# KiCad board doom v1.kicad_pcb (continued)
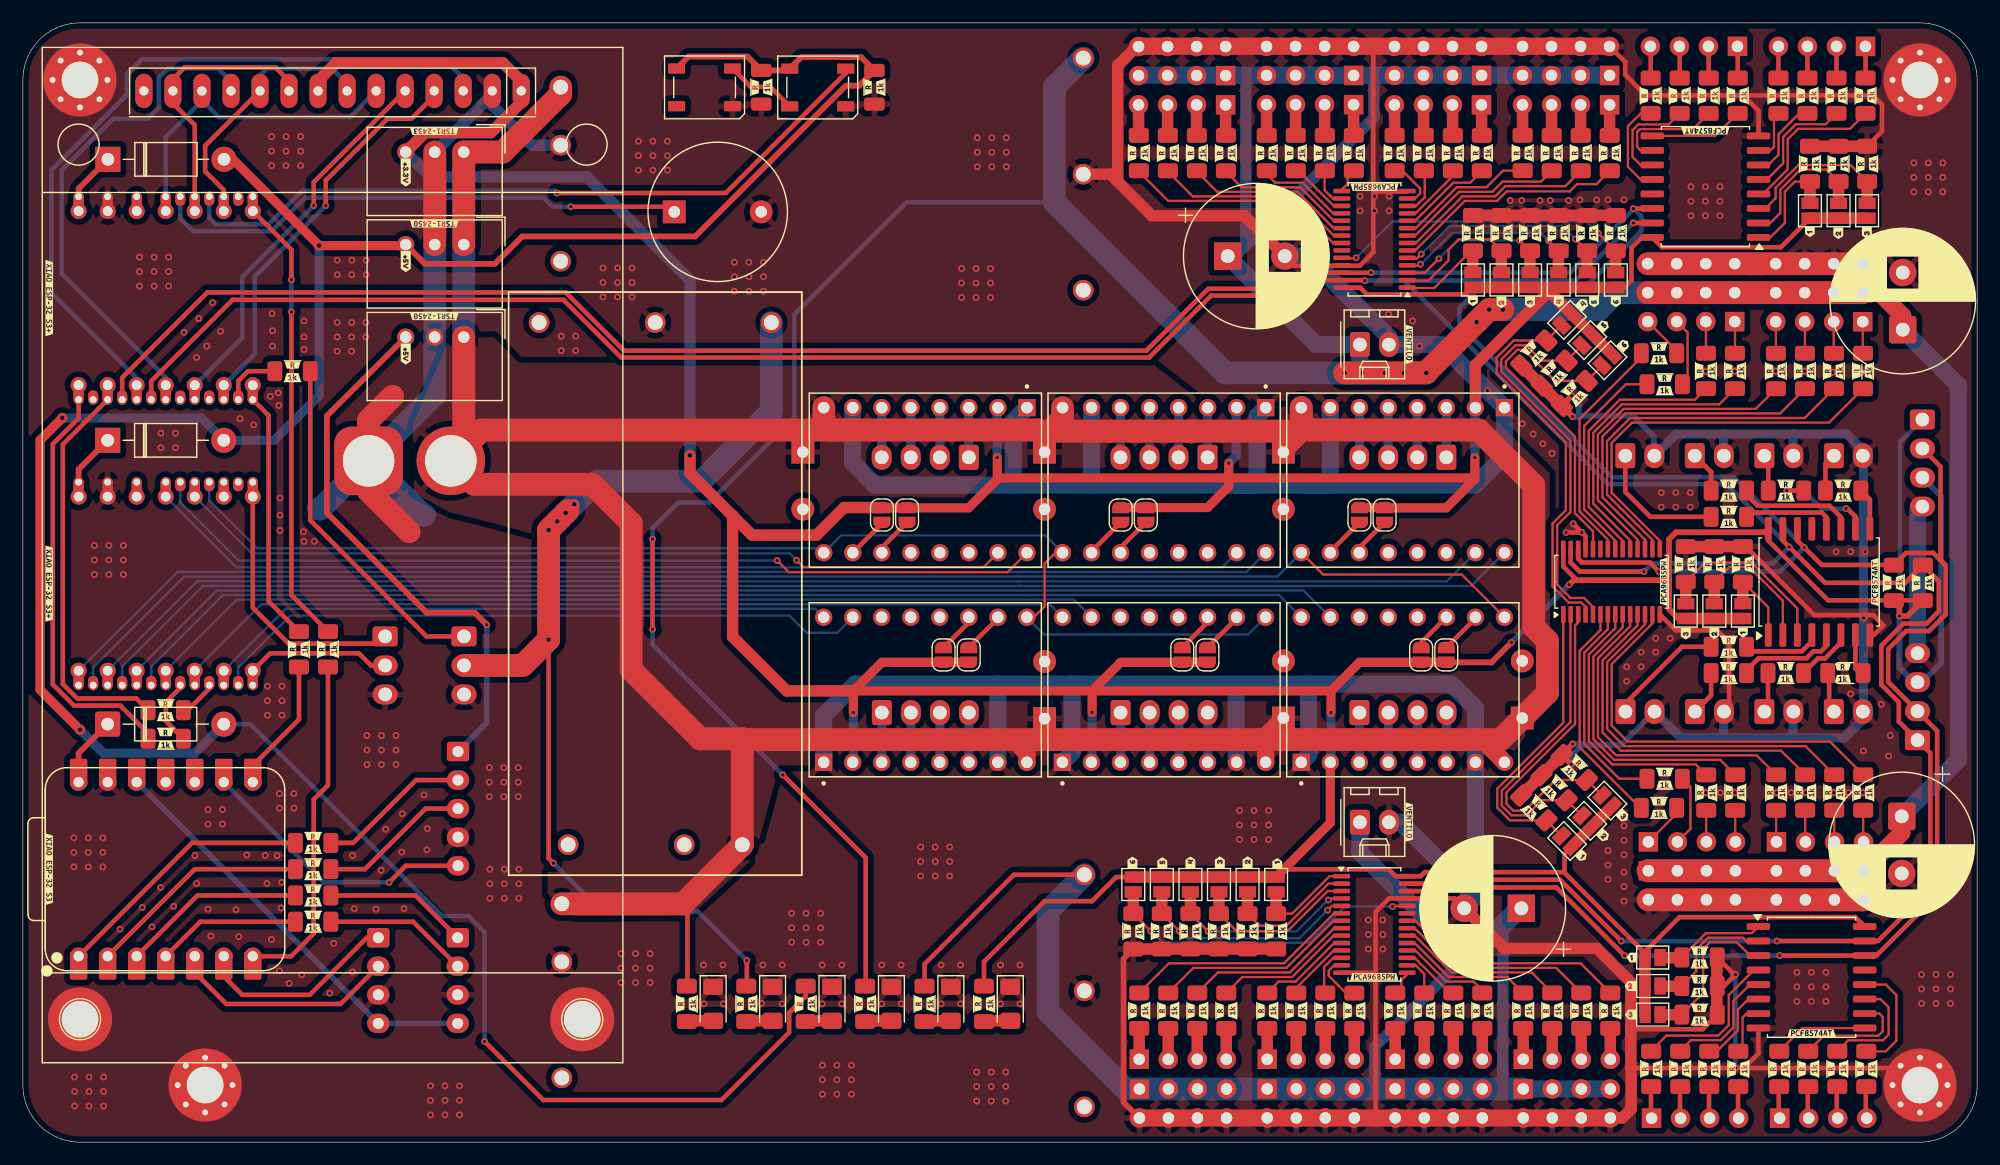
[diagram p0: board, top side]
## Placement (name value [footprint] x y rotation side) (continued)
U2  TMC2209_SILENTSTEPSTICK  [MODULE_TMC2209_SILENTSTEPSTICK]  99.86 57.96 270 top
U3  TMC2209_SILENTSTEPSTICK  [MODULE_TMC2209_SILENTSTEPSTICK]  78.97 57.96 270 top
U4  TMC2209_SILENTSTEPSTICK  [MODULE_TMC2209_SILENTSTEPSTICK]  78.96 39.61 90 top
U5  TMC2209_SILENTSTEPSTICK  [MODULE_TMC2209_SILENTSTEPSTICK]  99.85 39.61 90 top
U6  TMC2209_SILENTSTEPSTICK  [MODULE_TMC2209_SILENTSTEPSTICK]  120.75 39.61 90 top
U7  PCA9685PW  [TSSOP-28_4.4x9.7mm_P0.65mm]  118.26 19.06 0 top
U8  PCA9685PW  [TSSOP-28_4.4x9.7mm_P0.65mm]  118.27 79.05 180 top
U9  PCA9685PW  [TSSOP-28_4.4x9.7mm_P0.65mm]  139.01 49.07 90 top
U10  XIAO-HALF-HOLE-23P  [MOUDLE23P-SMD-2.54-21X17.8MM.kicad_mod.kicad_sym]  12.5 48.9 180 top
U11  PCF8574AT  [SOIC-16W_7.5x10.3mm_P1.27mm]  156.51 14.44 0 top
U12  PCF8574AT  [SOIC-16W_7.5x10.3mm_P1.27mm]  147.22 83.66 180 top
U13  PCF8574AT  [SOIC-16W_7.5x10.3mm_P1.27mm]  157.17 49.05 90 top
U14  TFT_320x240  [TFT-320x240]  27.1 92.04 180 top
U15  XIAO-HALF-HOLE-23P  [MOUDLE23P-SMD-2.54-21X17.8MM.kicad_mod.kicad_sym]  12.5 73.9 180 top
U16  TSR1-2433E  [Converter_DCDC_TRACO_TSR1-xxxxE_THT]  38.58 86.69 270 top
U17  TSR1-2450E  [Converter_DCDC_TRACO_TSR1-xxxxE_THT]  38.58 70.49 270 top
U18  TSR1-2450E  [Converter_DCDC_TRACO_TSR1-xxxxE_THT]  38.58 78.59 270 top
U19  XIAO-ESP32-S3-DIP  [XIAO-ESP32S3-DIP]  12.5 23.9 90 top

## Library data of the parts
Batcon2 J7-J22 = -: ki_fp_filters: Connector*:*_1x??_*
BZ1 = -: Description: Buzzer, polarized; ki_fp_filters: *Buzzer*
C1-C6 = -: Description: Polarized capacitor, small symbol; ki_fp_filters: CP_*
C8-C10 C15 = -: ki_fp_filters: CP_*
C11 C13 = -: Description: Unpolarized capacitor; ki_fp_filters: C_*
D1 D3 D13 = -: Datasheet: http://www.diodes.com/_files/datasheets/ds23022.pdf; Description: 20V 1A Schottky Barrier Rectifier Diode, DO-41; ki_fp_filters: D*DO?41*
D5-D10 = -: ki_fp_filters: LED* LED_SMD:* LED_THT:*
D11 D12 = -: Datasheet: https://cdn-shop.adafruit.com/datasheets/WS2812B.pdf; Description: RGB LED with integrated controller; ki_fp_filters: LED*WS2812*PLCC*5.0x5.0mm*P3.2mm*
H1-H6 = -: Description: Mounting Hole with connection; ki_fp_filters: MountingHole*Pad*
J1-J6 J43 J44 J47 J51 = -: Description: Generic connector, single row, 01x04, script generated (kicad-library-utils/schlib/autogen/connector/); ki_fp_filters: Connector*:*_1x??_*
J23-J30 J48 J49 = -: Description: Generic connector, single row, 01x02, script generated (kicad-library-utils/schlib/autogen/connector/); ki_fp_filters: Connector*:*_1x??_*
J31-J42 = -: ki_fp_filters: Connector*:*_2x??_*
J45 J46 = -: Description: Generic connector, single row, 01x03, script generated (kicad-library-utils/schlib/autogen/connector/); ki_fp_filters: Connector*:*_1x??_*
J50 = -: Description: Generic connector, single row, 01x05, script generated (kicad-library-utils/schlib/autogen/connector/); ki_fp_filters: Connector*:*_1x??_*
JP1-JP12 = -: Description: Jumper, 2-pole, open; ki_fp_filters: Jumper* TestPoint*2Pads* TestPoint*Bridge*
JP13-JP39 = -: ki_fp_filters: Jumper* TestPoint*2Pads* TestPoint*Bridge*
PS2-PS4 = -: MF: Traco Power; MAXIMUM_PACKAGE_HEIGHT: 11.25mm; Package: Package; Price: None; Check_prices: https://www.snapeda.com/parts/TEN%2050-2411/Traco+Power/view-part/?ref=eda; STANDARD: Manufacturer Recommendations; PARTREV: February 3, 2021; SnapEDA_Link: https://www.snapeda.com/parts/TEN%2050-2411/Traco+Power/view-part/?ref=snap; MP: TEN 50-2411; Description_1: 50 Watt DC/DC converter, industrial, 2:1 input, encapsulated, 2 x 1 metal package; Availability: In Stock; MANUFACTURER: Traco Power
R1-R99 R110-R115 = -: ki_fp_filters: R_*
R100-R103 R106 R107 R117-R119 = -: Description: Resistor; ki_fp_filters: R_*
R108 R109 = -: Description: Resistor, small symbol; ki_fp_filters: R_*
U1-U6 = -: MF: Trinamic Motion Control GmbH; Description_1: TMC2209 Motor Controller/Driver Power Management Evaluation Board; Package: None; Price: None; Check_prices: https://www.snapeda.com/parts/TMC2209%20SILENTSTEPSTICK/Trinamic/view-part/?ref=eda; STANDARD: Manufacturer Recommendations; PARTREV: 1.20; SnapEDA_Link: https://www.snapeda.com/parts/TMC2209%20SILENTSTEPSTICK/Trinamic/view-part/?ref=snap; MP: TMC2209 SILENTSTEPSTICK; MANUFACTURER: Trinamic Motion Control GmbH; Availability: In Stock; SNAPEDA_PN: TMC2209 SILENTSTEPSTICK
U7-U9 = -: Datasheet: http://www.nxp.com/docs/en/data-sheet/PCA9685.pdf; Description: 16-channel 12-bit PWM Fm+ I2C-bus LED controller RGBA TSSOP; ki_fp_filters: TSSOP*4.4x9.7mm*P0.65mm*
U10 U15 = -: ki_fp_filters: Module:MOUDLE23P-XIAO-HALF-HOLE
U11-U13 = -: Datasheet: http://www.nxp.com/docs/en/data-sheet/PCF8574_PCF8574A.pdf; Description: 8 Bit Port/Expander to I2C Bus, fixed address bits 0b0111, SOIC-16; ki_fp_filters: SOIC*7.5x10.3mm*P1.27mm*
U16 = -: Datasheet: https://www.tracopower.com/products/tsr1e.pdf; Description: 1A step-down regulator, fixed 3.3V output voltage, 6-36V input voltage, TO-220 compatible LM78xx replacement; ki_fp_filters: Converter*DCDC*TRACO*TSR1*xxxxE*THT*
U17 U18 = -: Datasheet: https://www.tracopower.com/products/tsr1e.pdf; Description: 1A step-down regulator, fixed 5V output voltage, 7-36V input voltage, TO-220 compatible LM78xx replacement; ki_fp_filters: Converter*DCDC*TRACO*TSR1*xxxxE*THT*

## Footprints (pads in the part's own frame, mm; a bottom-side part is the same pattern mirrored in y, then rotated)
AMASS_XT60-F_1x02_P7.20mm_Vertical
  rrect 6x6 hole 4.5: 1(0,0)
  round 6 hole 4.5: 2(7.2,0)
Buzzer_12x9.5RM7.6
  rect 2x2 hole 1: 1(0,0)
  round 2 hole 1: 2(7.6,0)
C_1206_3216Metric
  rrect 1.15x1.8 smd: 1(-1.475,0) 2(1.475,0)
Converter_DCDC_TRACO_TSR1-xxxxE_THT
  rect 1.5x1.5 hole 1: 1(0,0)
  round 1.5 hole 1: 2(0,-2.54) 3(0,-5.08)
CP_Radial_D10.0mm_P5.00mm
  rect 2x2 hole 1: 1(0,0)
  round 2 hole 1: 2(5,0)
CP_Radial_D12.5mm_P5.00mm
  rrect 2.4x2.4 hole 1.2: 1(0,0)
  round 2.4 hole 1.2: 2(5,0)
CP_Radial_D12.5mm_P5.00mm#2
  rect 2.4x2.4 hole 1.2: 1(0,0)
  round 2.4 hole 1.2: 2(5,0)
D_DO-41_SOD81_P10.16mm_Horizontal
  rect 2.2x2.2 hole 1.1: 1(0,0)
  oval 2.2x2.2 hole 1.1: 2(10.16,0)
D_DO-41_SOD81_P10.16mm_Horizontal#2
  rrect 2.2x2.2 hole 1.1: 1(0,0)
  round 2.2 hole 1.1: 2(10.16,0)
JST_XH_B4B-XH-A_1x04_P2.50mm_Vertical
  rrect 1.7x1.95 hole 0.95: 1(0,0)
  oval 1.7x1.95 hole 0.95: 2(2.5,0) 3(5,0) 4(7.5,0)
JST_XH_B5B-XH-A_1x05_P2.50mm_Vertical
  rrect 1.7x1.95 hole 0.95: 1(0,0)
  oval 1.7x1.95 hole 0.95: 2(2.5,0) 3(5,0) 4(7.5,0) 5(10,0)
LED_1206_3216Metric_Pad1.42x1.75mm_HandSolder
  rrect 1.425x1.75 smd: 1(-1.488,0) 2(1.488,0)
LED_WS2812B_PLCC4_5.0x5.0mm_P3.2mm
  rrect 1.5x0.9 smd: 1(-2.45,1.65) 2(-2.45,-1.65) 3(2.45,-1.65) 4(2.45,1.65)
MODULE_TMC2209_SILENTSTEPSTICK
  rect 1.508x1.508 hole 1: 1(-6.35,8.89)
  round 1.508 hole 1: 2(-6.35,6.35) 3(-6.35,3.81) 4(-6.35,1.27) 5(-6.35,-1.27) 6(-6.35,-3.81) 7(-6.35,-6.35) 8(-6.35,-8.89) 9(6.35,8.89) 10(6.35,6.35) 11(6.35,3.81) 12(6.35,1.27) 13(6.35,-1.27) 14(6.35,-3.81) 15(6.35,-6.35) 16(6.35,-8.89)
Molex_KK-254_AE-6410-02A_1x02_P2.54mm_Vertical
  rrect 1.74x2.19 hole 1.19: 1(0,0)
  oval 1.74x2.19 hole 1.19: 2(2.54,0)
Molex_KK-254_AE-6410-03A_1x03_P2.54mm_Vertical
  rrect 1.74x2.19 hole 1.19: 1(0,0)
  oval 1.74x2.19 hole 1.19: 2(2.54,0) 3(5.08,0)
Molex_KK-254_AE-6410-04A_1x04_P2.54mm_Vertical
  rrect 1.74x2.19 hole 1.19: 1(0,0)
  oval 1.74x2.19 hole 1.19: 2(2.54,0) 3(5.08,0) 4(7.62,0)
MOUDLE23P-SMD-2.54-21X17.8MM.kicad_mod.kicad_sym
  round 0.9 hole 0.6: 1(7.62,8.89) 2(5.08,8.89) 3(2.54,8.89) 4(0,8.89) 5(-2.54,8.89) 6(-5.08,8.89) 7(-7.62,8.89) 8(-7.62,-8.89) 9(-5.08,-8.89) 10(-2.54,-8.89) 11(0,-8.89) 12(2.54,-8.89) 13(5.08,-8.89) 14(7.62,-8.89) 15(6.35,8.89) 16(3.81,8.89) 17(1.27,8.89) 18(-1.27,8.89) 19(-3.81,8.89) 20(-6.35,8.89) 21(-6.35,-8.89) 22(-3.81,-8.89) 23(-1.27,-8.89)
  round 1.4 hole 0.85: 1(7.62,7.62) 2(5.08,7.62) 3(2.54,7.62) 4(0,7.62) 5(-2.54,7.62) 6(-5.08,7.62) 7(-7.62,7.62) 8(-7.62,-7.62) 9(-5.08,-7.62) 10(-2.54,-7.62) 11(0,-7.62) 12(2.54,-7.62) 13(5.08,-7.62) 14(7.62,-7.62)
MountingHole_3.2mm_M3_DIN965_Pad
  round 5.6 hole 3.2: 1(0,0)
MountingHole_3.2mm_M3_Pad_Via
  round 0.8 hole 0.5: 1(-2.4,0) 1(-1.697,1.697) 1(-1.697,-1.697) 1(0,2.4) 1(0,-2.4) 1(1.697,1.697) 1(1.697,-1.697) 1(2.4,0)
  round 6.4 hole 3.2: 1(0,0)
PinHeader_1x04_P2.54mm_Vertical
  rect 1.7x1.7 hole 1: 1(0,0)
  oval 1.7x1.7 hole 1: 2(0,-2.54) 3(0,-5.08) 4(0,-7.62)
PinHeader_2x04_P2.54mm_Vertical
  rect 1.7x1.7 hole 1: 1(0,0)
  oval 1.7x1.7 hole 1: 2(2.54,0) 3(0,-2.54) 4(2.54,-2.54) 5(0,-5.08) 6(2.54,-5.08) 7(0,-7.62) 8(2.54,-7.62)
R_1206_3216Metric_Pad1.30x1.75mm_HandSolder
  rrect 1.3x1.75 smd: 1(-1.55,0) 2(1.55,0)
SOIC-16W_7.5x10.3mm_P1.27mm
  rrect 2.05x0.6 smd: 1(-4.65,4.445) 2(-4.65,3.175) 3(-4.65,1.905) 4(-4.65,0.635) 5(-4.65,-0.635) 6(-4.65,-1.905) 7(-4.65,-3.175) 8(-4.65,-4.445) 9(4.65,-4.445) 10(4.65,-3.175) 11(4.65,-1.905) 12(4.65,-0.635) 13(4.65,0.635) 14(4.65,1.905) 15(4.65,3.175) 16(4.65,4.445)
SolderJumper-2_P1.3mm_Open_Pad1.0x1.5mm
  rect 1x1.5 smd: 1(-0.65,0) 2(0.65,0)
SolderJumper-2_P1.3mm_Open_Pad1.0x1.5mm#2
  rect 1x1.5 smd: 1(-0.65,0) 2(0.65,0)
SolderJumper-2_P1.3mm_Open_RoundedPad1.0x1.5mm
  custom 1x1.5 smd: 1(-0.65,0) 2(0.65,0)
TEN50_TRP
  round 1.803 hole 1.295: 1(0,0) 2(0,5.08) 3(0,15.24) 4(45.72,-2.54) 5(45.72,7.62) 6(45.72,17.78)
TFT-320x240
  oval 1.5x3 hole 0.8: 1(-16.51,0) 2(-13.97,0) 3(-11.43,0) 4(-8.89,0) 5(-6.35,0) 6(-3.81,0) 7(-1.27,0) 8(1.27,0) 9(3.81,0) 10(6.35,0) 11(8.89,0) 12(11.43,0) 13(13.97,0) 14(16.51,0)
TSSOP-28_4.4x9.7mm_P0.65mm
  rrect 1.475x0.4 smd: 1(-2.862,4.225) 2(-2.862,3.575) 3(-2.862,2.925) 4(-2.862,2.275) 5(-2.862,1.625) 6(-2.862,0.975) 7(-2.862,0.325) 8(-2.862,-0.325) 9(-2.862,-0.975) 10(-2.862,-1.625) 11(-2.862,-2.275) 12(-2.862,-2.925) 13(-2.862,-3.575) 14(-2.862,-4.225) 15(2.862,-4.225) 16(2.862,-3.575) 17(2.862,-2.925) 18(2.862,-2.275) 19(2.862,-1.625) 20(2.862,-0.975) 21(2.862,-0.325) 22(2.862,0.325) 23(2.862,0.975) 24(2.862,1.625) 25(2.862,2.275) 26(2.862,2.925) 27(2.862,3.575) 28(2.862,4.225)
XIAO-ESP32S3-DIP
  rrect 2.432x1.524 smd: 1(-8.455,7.62) 2(-8.455,5.08) 3(-8.455,2.54) 4(-8.455,0) 5(-8.455,-2.54) 6(-8.455,-5.08) 7(-8.455,-7.62) 8(8.455,-7.62) 9(8.455,-5.08) 10(8.455,-2.54) 11(8.455,0) 12(8.455,2.54) 13(8.455,5.08) 14(8.455,7.62)
  round 1.524 hole 0.889: 1(-7.62,7.62) 2(-7.62,5.08) 3(-7.62,2.54) 4(-7.62,0) 5(-7.62,-2.54) 6(-7.62,-5.08) 7(-7.62,-7.62) 8(7.62,-7.62) 9(7.62,-5.08) 10(7.62,-2.54) 11(7.62,0) 12(7.62,2.54) 13(7.62,5.08) 14(7.62,7.62)

## Nets
+3.3V: J43.3 J44.3 JP1.1 JP2.1 JP3.1 JP4.1 JP5.1 JP6.1 JP7.1 JP8.1 JP9.1 JP10.1 JP11.1 JP12.1 JP13.1 JP14.1 JP15.1 JP16.1 JP17.1 JP18.1 JP19.1 JP20.1 JP21.1 JP22.1 JP23.1 JP24.1 JP25.1 JP26.1 JP27.1 JP28.1 JP29.1 JP30.1 JP31.1 JP32.1 JP33.1 JP34.1 JP35.1 JP36.1 JP37.1 JP38.1 JP39.1 R108.2 R109.2 R110.1 U1.2 U2.2 U3.2 U4.2 U5.2 U6.2 U7.28 U8.28 U9.28 U11.16 U12.16 U13.16 U14.1 U14.8 U16.3
+3.3V module: J47.4 J51.4 U19.12
+5VL: C11.1 C13.1 D1.2 D3.2 D11.1 D12.1 D13.2 R111.1 U18.3
+5VLL: J50.1 U17.3
+5VP1: C8.1 J31.1 J31.3 J31.5 J31.7 J32.1 J32.3 J32.5 J32.7 J33.1 J33.3 J33.5 J33.7 J34.1 J34.3 J34.5 J34.7 J48.1 PS4.4 R112.1
+5VP2: C9.1 C10.1 C15.1 J35.1 J35.3 J35.5 J35.7 J36.1 J36.3 J36.5 J36.7 J37.1 J37.3 J37.5 J37.7 J38.1 J38.3 J38.5 J38.7 J39.1 J39.3 J39.5 J39.7 J40.1 J40.3 J40.5 J40.7 J41.1 J41.3 J41.5 J41.7 J42.1 J42.3 J42.5 J42.7 J49.1 PS2.4 R113.1
+12V: J46.2 PS3.4 R114.1
+24V: Batcon2.2 C1.1 C2.1 C3.1 C4.1 C5.1 C6.1 PS2.1 PS3.1 PS4.1 R115.1 U1.8 U2.8 U3.8 U4.8 U5.8 U6.8 U16.1 U17.1 U18.1
GND: Batcon2.1 BZ1.2 C1.2 C2.2 C3.2 C4.2 C5.2 C6.2 C8.2 C9.2 C10.2 C11.2 C13.2 C15.2 D5.1 D6.1 D7.1 D8.1 D9.1 D10.1 D11.3 D12.3 H1.1 H2.1 H3.1 H4.1 H5.1 H6.1 J23.2 J24.2 J25.2 J26.2 J27.2 J28.2 J29.2 J30.2 J31.2 J31.4 J31.6 J31.8 J32.2 J32.4 J32.6 J32.8 J33.2 J33.4 J33.6 J33.8 J34.2 J34.4 J34.6 J34.8 J35.2 J35.4 J35.6 J35.8 J36.2 J36.4 J36.6 J36.8 J37.2 J37.4 J37.6 J37.8 J38.2 J38.4 J38.6 J38.8 J39.2 J39.4 J39.6 J39.8 J40.2 J40.4 J40.6 J40.8 J41.2 J41.4 J41.6 J41.8 J42.2 J42.4 J42.6 J42.8 J43.4 J44.4 J45.3 J46.3 J47.3 J48.2 J49.2 J50.4 J51.3 PS2.2 PS2.5 PS3.2 PS3.5 PS4.2 PS4.5 R73.1 R74.1 R75.2 R76.1 R77.1 R78.2 R79.1 R80.1 R81.2 R82.1 R83.1 R84.2 R85.1 R86.1 R87.2 R88.1 R89.1 R90.2 R91.1 R92.1 R93.2 R94.1 R95.1 R96.2 R97.1 R98.1 R99.2 U1.1 U1.7 U2.1 U2.7 U3.1 U3.7 U4.1 U4.7 U5.1 U5.7 U6.1 U6.7 U7.14 U7.25 U8.14 U8.25 U9.14 U9.25 U10.13 U11.8 U12.8 U13.8 U14.2 U15.13 U16.2 U17.2 U18.2 U19.13
CS (touch): U14.11 U15.4
CS (écran): U14.3 U15.3
data: D11.4 U15.22
DC: U14.5 U15.5
DIR 1: U1.9 U10.16
DIR 2: U2.9 U10.1
DIR 3: U3.9 U10.23
DIR 4: U4.9 U10.6
DIR 5: U5.9 U10.5
DIR 6: U6.9 U10.17
EN: U2.16 U3.16 U4.16 U5.16 U10.22
EN M: U1.16 U6.16 U10.15
LI AX12A: J46.1 R106.1
Lidar_PWM: J50.5 U19.9
MISO: U14.9 U14.13 U15.10
MOSI: U14.6 U14.12 U15.11
RST: U14.4 U15.6
RX: R107.1 U19.7
RX B: J45.1 U10.8
RX driver: R100.1 U10.18
RX LIDAR: J50.3 R118.1
RX XBEE: J51.1 R117.1
SCK: U14.7 U14.10 U15.9
SCL: J43.2 J44.2 R109.1 U7.26 U8.26 U9.26 U11.14 U12.14 U13.14 U15.16
SCL gyro: J47.1 U19.6
SDA: J43.1 J44.1 R108.1 U7.27 U8.27 U9.27 U11.15 U12.15 U13.15 U15.17
SDA gyro: J47.2 U19.5
STEP 1: U1.10 U10.2
STEP 2: U2.10 U10.11
STEP 3: U3.10 U10.10
STEP 4: U4.10 U10.20
STEP 5: U5.10 U10.4
STEP 6: U6.10 U10.3
TX: R103.1 U19.8
TX B: J45.2 U10.7
TX driver: R101.1 U10.19
TX LIDAR: J50.2 R102.1
TX XBEE: J51.2 R119.1
Net-(BZ1-+): BZ1.1 U15.23
Net-(D1-K): D1.1 U10.14
Net-(D3-K): D3.1 U15.14
Net-(D5-A): D5.2 R111.2
Net-(D6-A): D6.2 R112.2
Net-(D7-A): D7.2 R114.2
Net-(D8-A): D8.2 R115.2
Net-(D9-A): D9.2 R113.2
Net-(D10-A): D10.2 R110.2
Net-(D11-DOUT): D11.2 D12.4
Net-(D13-K): D13.1 U19.14
Net-(J1-Pin_1): J1.1 U1.3
Net-(J1-Pin_2): J1.2 U1.4
Net-(J1-Pin_3): J1.3 U1.5
Net-(J1-Pin_4): J1.4 U1.6
Net-(J2-Pin_1): J2.1 U2.3
Net-(J2-Pin_2): J2.2 U2.4
Net-(J2-Pin_3): J2.3 U2.5
Net-(J2-Pin_4): J2.4 U2.6
Net-(J3-Pin_1): J3.1 U3.3
Net-(J3-Pin_2): J3.2 U3.4
Net-(J3-Pin_3): J3.3 U3.5
Net-(J3-Pin_4): J3.4 U3.6
Net-(J4-Pin_1): J4.1 U4.3
Net-(J4-Pin_2): J4.2 U4.4
Net-(J4-Pin_3): J4.3 U4.5
Net-(J4-Pin_4): J4.4 U4.6
Net-(J5-Pin_1): J5.1 U5.3
Net-(J5-Pin_2): J5.2 U5.4
Net-(J5-Pin_3): J5.3 U5.5
Net-(J5-Pin_4): J5.4 U5.6
Net-(J6-Pin_1): J6.1 U6.3
Net-(J6-Pin_2): J6.2 U6.4
Net-(J6-Pin_3): J6.3 U6.5
Net-(J6-Pin_4): J6.4 U6.6
Net-(J7-Pin_1): J7.1 R1.2
Net-(J7-Pin_2): J7.2 R2.2
Net-(J7-Pin_3): J7.3 R3.2
Net-(J7-Pin_4): J7.4 R4.1
Net-(J8-Pin_1): J8.1 R5.2
Net-(J8-Pin_2): J8.2 R6.2
Net-(J8-Pin_3): J8.3 R7.2
Net-(J8-Pin_4): J8.4 R8.1
Net-(J9-Pin_1): J9.1 R9.2
Net-(J9-Pin_2): J9.2 R10.2
Net-(J9-Pin_3): J9.3 R11.2
Net-(J9-Pin_4): J9.4 R12.1
Net-(J10-Pin_1): J10.1 R13.2
Net-(J10-Pin_2): J10.2 R14.2
Net-(J10-Pin_3): J10.3 R15.2
Net-(J10-Pin_4): J10.4 R16.1
Net-(J11-Pin_1): J11.1 R17.2
Net-(J11-Pin_2): J11.2 R18.2
Net-(J11-Pin_3): J11.3 R19.2
Net-(J11-Pin_4): J11.4 R20.1
Net-(J12-Pin_1): J12.1 R21.2
Net-(J12-Pin_2): J12.2 R22.2
Net-(J12-Pin_3): J12.3 R23.2
Net-(J12-Pin_4): J12.4 R24.1
Net-(J13-Pin_1): J13.1 R25.2
Net-(J13-Pin_2): J13.2 R26.2
Net-(J13-Pin_3): J13.3 R27.2
Net-(J13-Pin_4): J13.4 R28.1
Net-(J14-Pin_1): J14.1 R29.2
Net-(J14-Pin_2): J14.2 R30.2
Net-(J14-Pin_3): J14.3 R31.2
Net-(J14-Pin_4): J14.4 R32.1
Net-(J15-Pin_1): J15.1 R33.2
Net-(J15-Pin_2): J15.2 R34.2
Net-(J15-Pin_3): J15.3 R35.2
Net-(J15-Pin_4): J15.4 R36.1
Net-(J16-Pin_1): J16.1 R37.2
Net-(J16-Pin_2): J16.2 R38.2
Net-(J16-Pin_3): J16.3 R39.2
Net-(J16-Pin_4): J16.4 R40.1
Net-(J17-Pin_1): J17.1 R41.2
Net-(J17-Pin_2): J17.2 R42.2
Net-(J17-Pin_3): J17.3 R43.2
Net-(J17-Pin_4): J17.4 R44.1
Net-(J18-Pin_1): J18.1 R45.2
Net-(J18-Pin_2): J18.2 R46.2
Net-(J18-Pin_3): J18.3 R47.2
Net-(J18-Pin_4): J18.4 R48.1
Net-(J19-Pin_1): J19.1 R49.2
Net-(J19-Pin_2): J19.2 R50.2
Net-(J19-Pin_3): J19.3 R51.2
Net-(J19-Pin_4): J19.4 R52.1
Net-(J20-Pin_1): J20.1 R53.2
Net-(J20-Pin_2): J20.2 R54.2
Net-(J20-Pin_3): J20.3 R55.2
Net-(J20-Pin_4): J20.4 R56.1
Net-(J21-Pin_1): J21.1 R57.2
Net-(J21-Pin_2): J21.2 R58.2
Net-(J21-Pin_3): J21.3 R59.2
Net-(J21-Pin_4): J21.4 R60.1
Net-(J22-Pin_1): J22.1 R61.2
Net-(J22-Pin_2): J22.2 R62.2
Net-(J22-Pin_3): J22.3 R63.2
Net-(J22-Pin_4): J22.4 R64.1
Net-(J23-Pin_1): J23.1 R65.2
Net-(J24-Pin_1): J24.1 R66.2
Net-(J25-Pin_1): J25.1 R67.2
Net-(J26-Pin_1): J26.1 R68.1
Net-(J27-Pin_1): J27.1 R69.2
Net-(J28-Pin_1): J28.1 R70.2
Net-(J29-Pin_1): J29.1 R71.2
Net-(J30-Pin_1): J30.1 R72.1
Net-(JP1-B): JP1.2 U1.15
Net-(JP2-B): JP2.2 U1.14
Net-(JP3-B): JP3.2 U2.15
Net-(JP4-B): JP4.2 U2.14
Net-(JP5-B): JP5.2 U3.15
Net-(JP6-B): JP6.2 U3.14
Net-(JP7-B): JP7.2 U4.15
Net-(JP8-B): JP8.2 U4.14
Net-(JP9-B): JP9.2 U5.15
Net-(JP10-B): JP10.2 U5.14
Net-(JP11-B): JP11.2 U6.15
Net-(JP12-B): JP12.2 U6.14
Net-(JP13-B): JP13.2 R73.2 U7.1
Net-(JP14-B): JP14.2 R74.2 U7.2
Net-(JP15-B): JP15.2 R75.1 U7.3
Net-(JP16-B): JP16.2 R76.2 U7.4
Net-(JP17-B): JP17.2 R77.2 U7.5
Net-(JP18-B): JP18.2 R78.1 U7.24
Net-(JP19-B): JP19.2 R79.2 U8.1
Net-(JP20-B): JP20.2 R80.2 U8.2
Net-(JP21-B): JP21.2 R81.1 U8.3
Net-(JP22-B): JP22.2 R82.2 U8.4
Net-(JP23-B): JP23.2 R83.2 U8.5
Net-(JP24-B): JP24.2 R84.1 U8.24
Net-(JP25-B): JP25.2 R85.2 U9.1
Net-(JP26-B): JP26.2 R86.2 U9.2
Net-(JP27-B): JP27.2 R87.1 U9.3
Net-(JP28-B): JP28.2 R88.2 U9.4
Net-(JP29-B): JP29.2 R89.2 U9.5
Net-(JP30-B): JP30.2 R90.1 U9.24
Net-(JP31-B): JP31.2 R91.2 U11.1
Net-(JP32-B): JP32.2 R92.2 U11.2
Net-(JP33-B): JP33.2 R93.1 U11.3
Net-(JP34-B): JP34.2 R94.2 U12.1
Net-(JP35-B): JP35.2 R95.2 U12.2
Net-(JP36-B): JP36.2 R96.1 U12.3
Net-(JP37-B): JP37.2 R97.2 U13.1
Net-(JP38-B): JP38.2 R98.2 U13.2
Net-(JP39-B): JP39.2 R99.1 U13.3
Net-(U7-LED0): R1.1 U7.6
Net-(U7-LED1): R2.1 U7.7
Net-(U7-LED2): R3.1 U7.8
Net-(U7-LED3): R4.2 U7.9
Net-(U7-LED4): R5.1 U7.10
Net-(U7-LED5): R6.1 U7.11
Net-(U7-LED6): R7.1 U7.12
Net-(U7-LED7): R8.2 U7.13
Net-(U7-LED8): R9.1 U7.15
Net-(U7-LED9): R10.1 U7.16
Net-(U7-LED10): R11.1 U7.17
Net-(U7-LED11): R12.2 U7.18
Net-(U7-LED12): R13.1 U7.19
Net-(U7-LED13): R14.1 U7.20
Net-(U7-LED14): R15.1 U7.21
Net-(U7-LED15): R16.2 U7.22
Net-(U8-LED0): R17.1 U8.6
Net-(U8-LED1): R18.1 U8.7
Net-(U8-LED2): R19.1 U8.8
Net-(U8-LED3): R20.2 U8.9
Net-(U8-LED4): R21.1 U8.10
Net-(U8-LED5): R22.1 U8.11
Net-(U8-LED6): R23.1 U8.12
Net-(U8-LED7): R24.2 U8.13
Net-(U8-LED8): R25.1 U8.15
Net-(U8-LED9): R26.1 U8.16
Net-(U8-LED10): R27.1 U8.17
Net-(U8-LED11): R28.2 U8.18
Net-(U8-LED12): R29.1 U8.19
Net-(U8-LED13): R30.1 U8.20
Net-(U8-LED14): R31.1 U8.21
Net-(U8-LED15): R32.2 U8.22
Net-(U9-LED0): R33.1 U9.6
Net-(U9-LED1): R34.1 U9.7
Net-(U9-LED2): R35.1 U9.8
Net-(U9-LED3): R36.2 U9.9
Net-(U9-LED4): R37.1 U9.10
Net-(U9-LED5): R38.1 U9.11
Net-(U9-LED6): R39.1 U9.12
Net-(U9-LED7): R40.2 U9.13
Net-(U9-LED8): R41.1 U9.15
Net-(U9-LED9): R42.1 U9.16
Net-(U9-LED10): R43.1 U9.17
Net-(U9-LED11): R44.2 U9.18
Net-(U9-LED12): R45.1 U9.19
Net-(U9-LED13): R46.1 U9.20
Net-(U9-LED14): R47.1 U9.21
Net-(U9-LED15): R48.2 U9.22
Net-(U11-P0): R49.1 U11.4
Net-(U11-P1): R50.1 U11.5
Net-(U11-P2): R51.1 U11.6
Net-(U11-P3): R52.2 U11.7
Net-(U11-P4): R53.1 U11.9
Net-(U11-P5): R54.1 U11.10
Net-(U11-P6): R55.1 U11.11
Net-(U11-P7): R56.2 U11.12
Net-(U12-P0): R57.1 U12.4
Net-(U12-P1): R58.1 U12.5
Net-(U12-P2): R59.1 U12.6
Net-(U12-P3): R60.2 U12.7
Net-(U12-P4): R61.1 U12.9
Net-(U12-P5): R62.1 U12.10
Net-(U12-P6): R63.1 U12.11
Net-(U12-P7): R64.2 U12.12
Net-(U13-P0): R65.1 U13.4
Net-(U13-P1): R66.1 U13.5
Net-(U13-P2): R67.1 U13.6
Net-(U13-P3): R68.2 U13.7
Net-(U13-P4): R69.1 U13.9
Net-(U13-P5): R70.1 U13.10
Net-(U13-P6): R71.1 U13.11
Net-(U13-P7): R72.2 U13.12
Net-(U15-GPIO1_D0/A0): R100.2 U15.1
Net-(U15-GPIO2_D1/A1): R101.2 U15.2
Net-(U15-GPIO10_XMCLK/ADC_BAT): R106.2 U15.20
Net-(U15-U0RXD_D7/RX): R107.2 U15.8
Net-(U15-U0TXD_D6/TX): R103.2 U15.7
Net-(U19-GPIO1/D0/A0): R102.2 U19.1
Net-(U19-GPIO2/DA/A1): R118.2 U19.2
Net-(U19-GPIO3/D2/A2): R117.2 U19.3
Net-(U19-GPIO4/D3/A3): R119.2 U19.4

Pads without a net: D12 2; PS2 3 6; PS3 3 6; PS4 3 6; U1 11 12 13; U2 11 12 13; U3 11 12 13; U4 11 12 13; U5 11 12 13; U6 11 12 13; U7 23; U8 23; U9 23; U10 9 12 21; U11 13; U12 13; U13 13; U14 14; U15 12 15 18 19 21; U19 10 11

## Via types
v1: diameter 0.6, hole 0.3, Top to Bottom, 478 vias
v2: diameter 0.9, hole 0.4, Top to Bottom, 17 vias

## Routing (per net, layer and track width the routed paths; a pad name or vN(x,y) marks a point on that pad's centre or on a via; arc(x,y) is an arc through that point)
+3.3V: length 592.7
  Top w0.4: 134.9,23.58 141.96,16.52 JP31.1 141.96,16.71 144.95,19.7 160.34,19.7 U11.16 ; 134.9,23.58 134.84,23.64 122.67,23.64 122.31,23.28 121.12,23.28 U7.28 120.12,23.28 119.52,23.89 110.34,23.89 JP13.1 ; 134.9,23.58 134.9,25.24 JP25.1 ; U13.16 152.73,52.67 157.96,47.44 166.68,47.44 ; JP24.1 140.13,74.84 140.75,75.45 140.75,78.3 141.66,79.21 U12.16 143.43,78.35 153.82,78.35 JP34.1 ; U8.28 117.01,74.82 117.61,74.22 126.27,74.22 JP19.1 ; U9.28 134.79,50.4 135.99,49.2 ; JP18.1 95.66,23.21 93.55,21.1 89.4,21.1 84.1,15.8 R110.1
  Top w0.5: 144.04,49.27 143.97,49.2 135.7,49.2 v1(135.3,48.8) ; 144.04,49.27 144.04,52.79 144.65,53.4 152.43,53.4 U13.16 ; 144.04,49.27 144.04,46.66 144.85,45.85 JP39.1 ; R108.2 164.89,46.06 v1(164.2,46.06) 164.2,46.93 163.9,47.23 163.52,47.23 ; JP11.1 128.5,42.01 128.5,42 v1(130.25,43.75)
  Top w0.8: v1(72.67,37.61) 72.67,39.51 75.17,42.01 82.77,42.01 ; 127.05,58.04 v1(127.05,59.94) ; 127.05,58.04 126.94,58.15 85.37,58.15 85.26,58.04 ; 127.05,58.04 124.55,55.54 119.15,55.54 ; JP2.1 JP1.1 ; 124.56,42.01 116.96,42.01 114.46,39.51 v1(114.46,37.61) ; v1(93.56,37.61) 93.56,39.51 96.06,42.01 103.66,42.01 ; 85.26,58.04 v1(85.26,59.94) ; 85.26,58.04 82.76,55.54 75.16,55.54 ; 114.48,39.51 72.69,39.51 ; JP3.1 103.66,55.56 105.51,57.41 v1(105.51,59.45) ; U6.2 114.4,27.95 JP13.1
  Top w1: 133.19,74.84 JP28.1 JP30.1 ; 133.19,74.84 JP19.1 ; 133.19,74.84 JP24.1 ; 133.19,74.84 133.19,74.14 127.1,68.05 v1(127.1,64.31) ; JP5.1 71.86,55.56 69.45,53.15 63.8,53.15 62.1,54.85 ; 62.1,54.85 58.38,58.58 v2(58.38,60.12) ; 62.1,54.85 62.1,44.25 66.84,39.51 72.69,39.51 ; U16.3 35.2,88.39 40.96,88.39 43.61,91.04 U14.1 43.61,92.89 42,94.5 27.4,94.5 25.83,92.93 U14.8 ; JP27.1 JP25.1 ; 141.92,11.15 141.92,16.15 ; JP13.1 JP18.1 ; JP36.1 JP34.1 ; JP37.1 JP39.1
  Bottom w0.5: v1(135.3,48.8) v1(130.25,43.75) ; J44.3 167.85,56.55 167.85,41.95 166.17,40.27 J43.3 165.48,40.27 164.2,41.55 v1(164.2,46.06)
  Bottom w0.8: v1(105.51,59.45) 106.16,60.1 106.16,64.26 v1(106.21,64.31) ; v1(127.05,59.94) 127.05,64.24 127.1,64.29 ; v1(72.62,33.26) 72.67,33.31 v1(72.67,37.61) ; v1(114.46,37.61) 114.46,33.31 v1(114.41,33.26) ; v1(85.26,59.94) 85.26,64.24 v1(85.31,64.29) ; v1(93.56,37.61) 93.56,33.31 v1(93.51,33.26)
  Bottom w1: U16.3 35.69,84.5 49.36,84.5 58.38,75.48 v2(58.38,60.12)
+3.3V module: length 36.8
  Bottom w0.5: U19.12 9.98,31.52 J47.4 J51.4
+5VL: length 244.9
  Top w0.4: R111.1 68.5,12.78 67.05,11.33 67.05,9.61 61.13,3.69 45.53,3.69 v1(40.4,8.82)
  Top w0.5: U18.3 35.19,76.9 41.3,76.9 43.7,79.3 58.82,79.3 72.02,92.5 73.18,92.5 C13.1 73.34,95 68.11,95 D11.1 66.94,93.84 C11.1 63.4,95.05 58.25,95.05 D12.1
  Top w0.8: v2(3.45,63.4) 1.5,61.45 1.5,39.61 v2(5,36.1) ; D3.2 18.38,86.05 v2(25.93,78.5) 33.41,78.5 U18.3
  Bottom w0.4: v1(40.4,8.82) 40.4,18.4 39,19.8 36.7,19.8 19.9,36.6 D13.2
  Bottom w0.8: v2(3.45,63.4) 15.63,63.4 D1.2 22,61.45 25.93,65.38 v2(25.93,78.5) ; D13.2 15.03,34.05 7.06,34.05 v2(5,36.1)
+5VLL: length 48.4
  Top w0.5: v1(40.59,45.29) 40.59,45.31 39.55,46.35 35.35,46.35 26.6,55.1 26.6,63.59 U17.3
  Bottom w0.5: J50.1 40.59,36.71 v1(40.59,45.29)
+5VP1: length 150.6
  Top w0.4: R112.1 78.9,15.6 86.71,23.41 PS4.4
  Top w1.5: 97.69,4.66 97.68,4.66
  Bottom w1: 118.31,4.66 118.31,8.36 129.51,19.56 ; C8.1 130.95,20.31 130.26,20.31 129.51,19.56 ; 129.51,19.56 129.51,4.66
  Bottom w1.5: J48.1 116.99,25.37 124.56,17.8 128.44,17.8 C8.1 ; 138.88,4.66 129.51,4.66
  Bottom w2: 131.26,4.66 122.62,4.66 122.62,4.66 ; J34.1 96.47,4.66 89.7,11.42 89.7,20.23 PS4.4 ; 113.96,4.66 125.16,4.66 ; 118.31,4.66 97.69,4.66
+5VP2: length 384.2
  Top w0.4: v1(55.1,52.8) v1(55.1,44.9) ; v1(66.5,32.15) 73.75,24.9 73.75,13.71 R113.1
  Top w1.5: J42.1 162.45,74.37 164.49,72.34 C10.1 ; 138.84,93.41 138.84,93.41 ; C15.1 164.4,27.08 161.07,23.76 J39.7
  Top w2: 161.01,74.38 142.2,74.38 142.19,74.37 ; 142.21,23.76 142.22,23.76 161.03,23.76 ; v2(115.65,67.35) v2(122.8,67.35) 122.8,67.4 v2(127.2,71.8) v2(128.3,72.9) v2(129.5,72.9)
  Bottom w0.4: v1(55.1,44.9) 55.1,43.55 v1(66.5,32.15) ; 90.25,82.3 77.35,82.3 67.5,72.45 67.5,63.45 60.05,56 57.35,56 55.1,53.75 v1(55.1,52.8)
  Bottom w1: 118.21,93.41 118.21,89.71 107.01,78.51 ; 107.01,78.51 107.01,93.41 ; 107.01,78.51 106.26,77.76 105.57,77.76 105.4,77.59
  Bottom w1.5: 113.9,93.41 113.9,93.41 105.26,93.41 ; C9.1 113.17,69.83 J49.1 116.99,67.56 v2(117.2,67.35) ; 118.21,93.41 138.84,93.41 ; 122.56,93.41 111.36,93.41 ; C15.1 169.35,33.47 169.35,66.28 C10.1 ; 97.64,93.41 107.01,93.41
  Bottom w2: J41.7 139.38,74.38 137.9,72.9 v2(128.3,72.9) 127.32,71.92 ; v2(122.8,67.35) v2(120.85,67.35) v2(119.2,67.35) v2(117.2,67.35) v2(115.65,67.35) 105.2,67.35 90.25,82.3 90.25,92.38 PS2.4
+12V: length 94.4
  Top w0.4: v2(46,44) 46,24.85 v1(46.43,24.42) ; v1(63.35,15.9) 63.35,13.71 R114.1
  Top w2: 47.7,55.3 v2(47.5,55.1) v2(46.75,54.35) v2(46,53.6) v2(46,44) 43.74,41.74 J46.2
  Bottom w0.4: v1(63.35,15.9) 59.05,20.2 50.65,20.2 v1(46.43,24.42)
  Bottom w2: 38.61,41.75 J46.2 ; v2(46,53.6) v2(48.25,55.85) 50.27,57.87 59.37,57.87 65.49,63.99 PS3.4